# KiCad board prelude-driver-tail.kicad_pcb (continued)
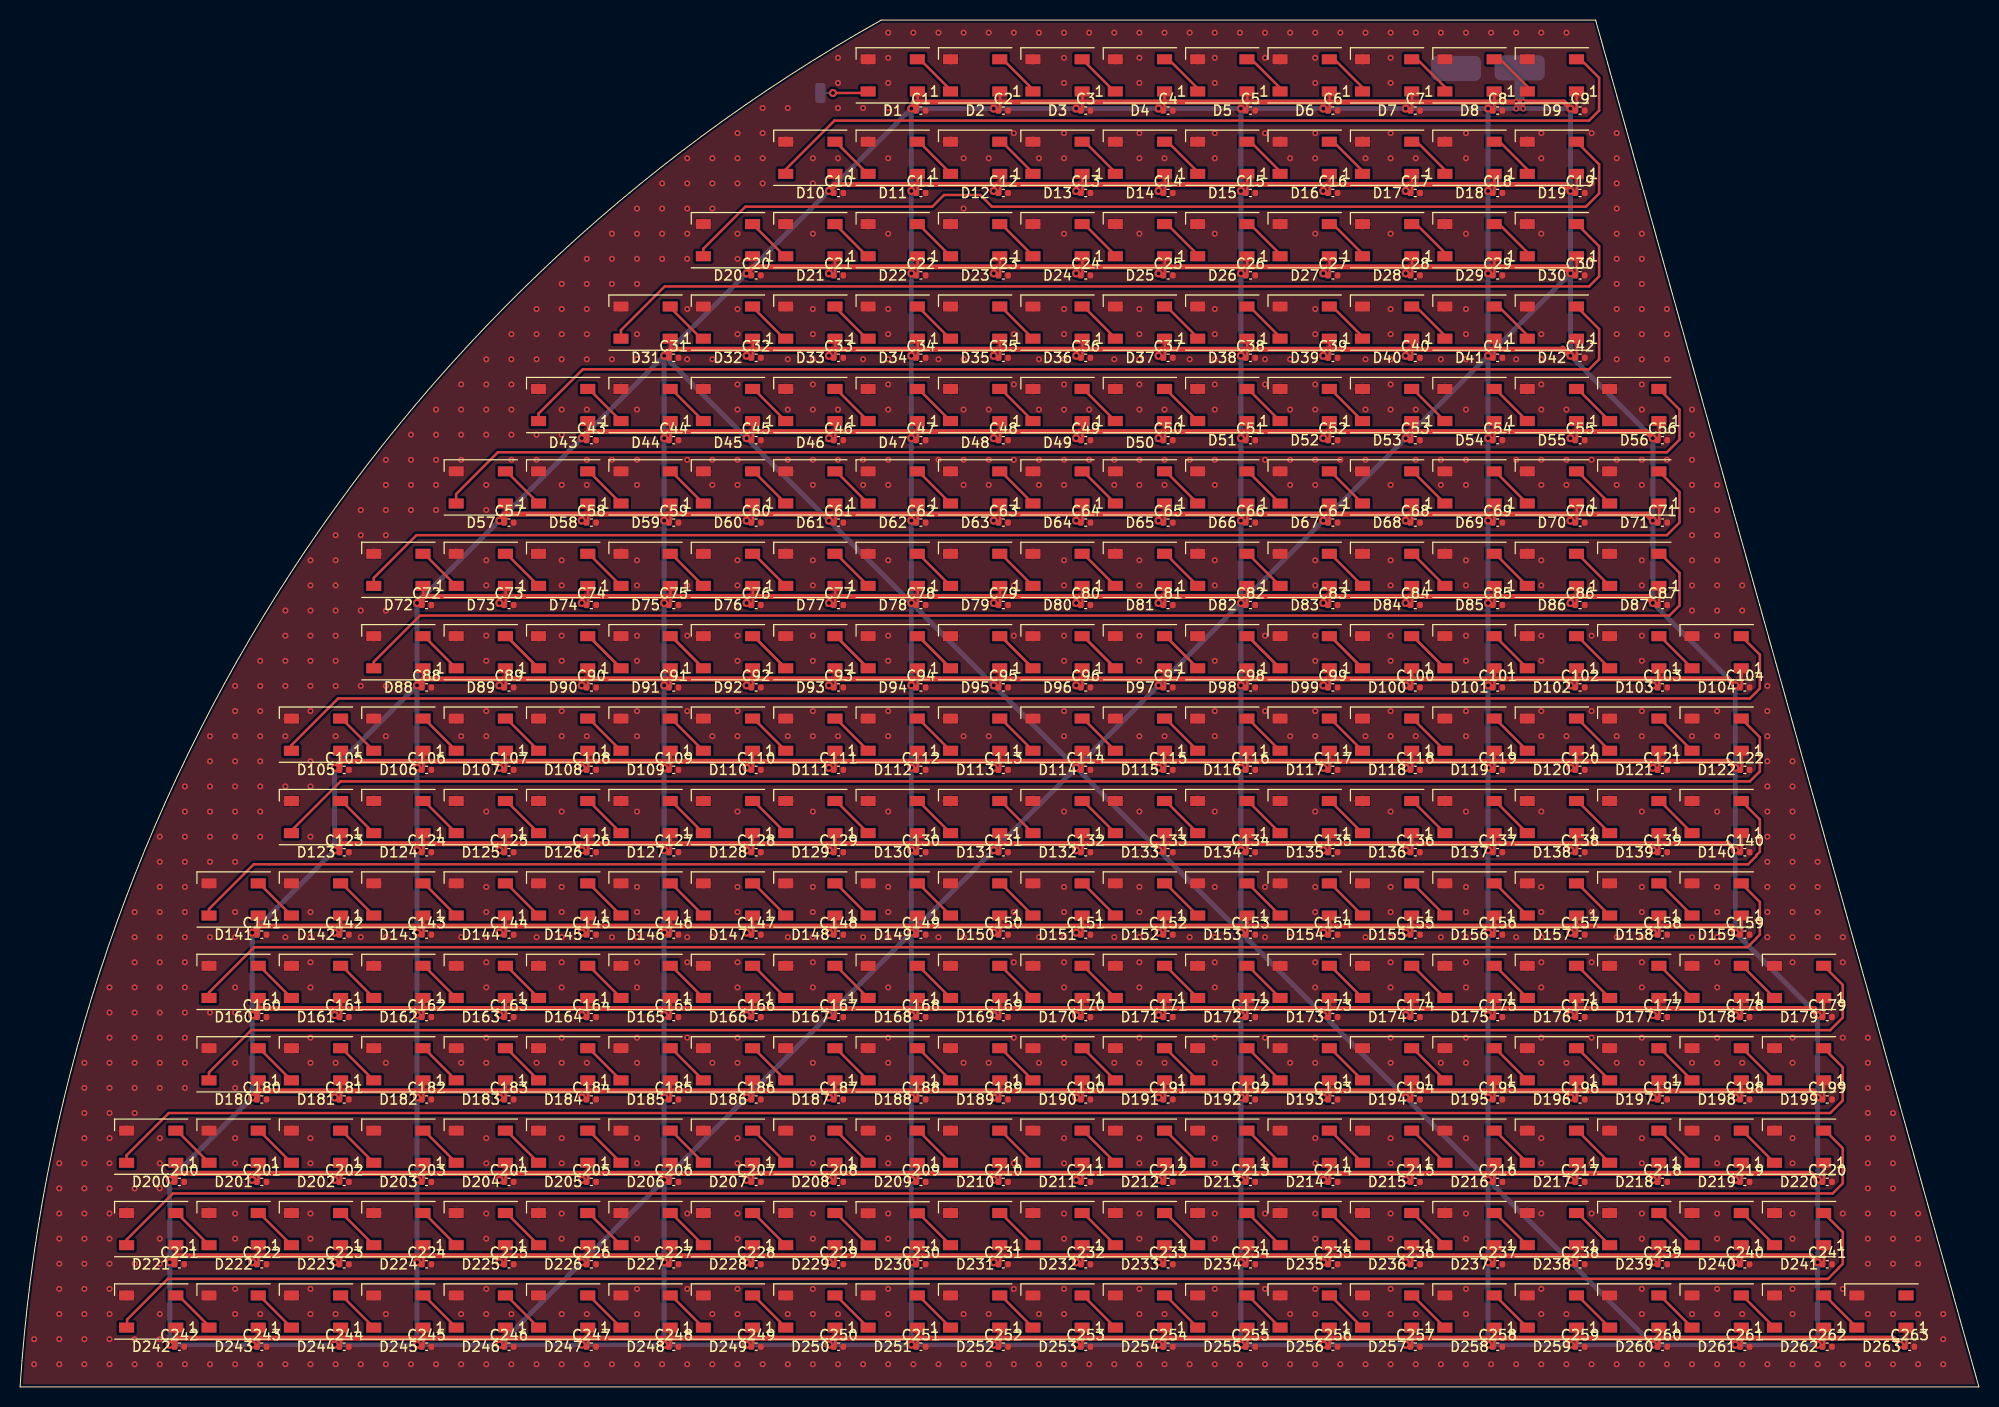
[diagram p0: board, top side]
## Placement (name value [footprint] x y rotation side) (continued)
D1  WS2812B  [LED_WS2812B_PLCC4_5.0x5.0mm_P3.2mm]  86.85 130.5 180 top
D2  WS2812B  [LED_WS2812B_PLCC4_5.0x5.0mm_P3.2mm]  95.05 130.5 180 top
D3  WS2812B  [LED_WS2812B_PLCC4_5.0x5.0mm_P3.2mm]  103.25 130.5 180 top
D4  WS2812B  [LED_WS2812B_PLCC4_5.0x5.0mm_P3.2mm]  111.45 130.5 180 top
D5  WS2812B  [LED_WS2812B_PLCC4_5.0x5.0mm_P3.2mm]  119.65 130.5 180 top
D6  WS2812B  [LED_WS2812B_PLCC4_5.0x5.0mm_P3.2mm]  127.85 130.5 180 top
D7  WS2812B  [LED_WS2812B_PLCC4_5.0x5.0mm_P3.2mm]  136.05 130.5 180 top
D8  WS2812B  [LED_WS2812B_PLCC4_5.0x5.0mm_P3.2mm]  144.25 130.5 180 top
D9  WS2812B  [LED_WS2812B_PLCC4_5.0x5.0mm_P3.2mm]  152.45 130.5 180 top
D10  WS2812B  [LED_WS2812B_PLCC4_5.0x5.0mm_P3.2mm]  78.65 122.3 180 top
D11  WS2812B  [LED_WS2812B_PLCC4_5.0x5.0mm_P3.2mm]  86.85 122.3 180 top
D12  WS2812B  [LED_WS2812B_PLCC4_5.0x5.0mm_P3.2mm]  95.05 122.3 180 top
D13  WS2812B  [LED_WS2812B_PLCC4_5.0x5.0mm_P3.2mm]  103.25 122.3 180 top
D14  WS2812B  [LED_WS2812B_PLCC4_5.0x5.0mm_P3.2mm]  111.45 122.3 180 top
D15  WS2812B  [LED_WS2812B_PLCC4_5.0x5.0mm_P3.2mm]  119.65 122.3 180 top
D16  WS2812B  [LED_WS2812B_PLCC4_5.0x5.0mm_P3.2mm]  127.85 122.3 180 top
D17  WS2812B  [LED_WS2812B_PLCC4_5.0x5.0mm_P3.2mm]  136.05 122.3 180 top
D18  WS2812B  [LED_WS2812B_PLCC4_5.0x5.0mm_P3.2mm]  144.25 122.3 180 top
D19  WS2812B  [LED_WS2812B_PLCC4_5.0x5.0mm_P3.2mm]  152.45 122.3 180 top
D20  WS2812B  [LED_WS2812B_PLCC4_5.0x5.0mm_P3.2mm]  70.45 114.1 180 top
D21  WS2812B  [LED_WS2812B_PLCC4_5.0x5.0mm_P3.2mm]  78.65 114.1 180 top
D22  WS2812B  [LED_WS2812B_PLCC4_5.0x5.0mm_P3.2mm]  86.85 114.1 180 top
D23  WS2812B  [LED_WS2812B_PLCC4_5.0x5.0mm_P3.2mm]  95.05 114.1 180 top
D24  WS2812B  [LED_WS2812B_PLCC4_5.0x5.0mm_P3.2mm]  103.25 114.1 180 top
D25  WS2812B  [LED_WS2812B_PLCC4_5.0x5.0mm_P3.2mm]  111.45 114.1 180 top
D26  WS2812B  [LED_WS2812B_PLCC4_5.0x5.0mm_P3.2mm]  119.65 114.1 180 top
D27  WS2812B  [LED_WS2812B_PLCC4_5.0x5.0mm_P3.2mm]  127.85 114.1 180 top
D28  WS2812B  [LED_WS2812B_PLCC4_5.0x5.0mm_P3.2mm]  136.05 114.1 180 top
D29  WS2812B  [LED_WS2812B_PLCC4_5.0x5.0mm_P3.2mm]  144.25 114.1 180 top
D30  WS2812B  [LED_WS2812B_PLCC4_5.0x5.0mm_P3.2mm]  152.45 114.1 180 top
D31  WS2812B  [LED_WS2812B_PLCC4_5.0x5.0mm_P3.2mm]  62.25 105.9 180 top
D32  WS2812B  [LED_WS2812B_PLCC4_5.0x5.0mm_P3.2mm]  70.45 105.9 180 top
D33  WS2812B  [LED_WS2812B_PLCC4_5.0x5.0mm_P3.2mm]  78.65 105.9 180 top
D34  WS2812B  [LED_WS2812B_PLCC4_5.0x5.0mm_P3.2mm]  86.85 105.9 180 top
D35  WS2812B  [LED_WS2812B_PLCC4_5.0x5.0mm_P3.2mm]  95.05 105.9 180 top
D36  WS2812B  [LED_WS2812B_PLCC4_5.0x5.0mm_P3.2mm]  103.25 105.9 180 top
D37  WS2812B  [LED_WS2812B_PLCC4_5.0x5.0mm_P3.2mm]  111.45 105.9 180 top
D38  WS2812B  [LED_WS2812B_PLCC4_5.0x5.0mm_P3.2mm]  119.65 105.9 180 top
D39  WS2812B  [LED_WS2812B_PLCC4_5.0x5.0mm_P3.2mm]  127.85 105.9 180 top
D40  WS2812B  [LED_WS2812B_PLCC4_5.0x5.0mm_P3.2mm]  136.05 105.9 180 top
D41  WS2812B  [LED_WS2812B_PLCC4_5.0x5.0mm_P3.2mm]  144.25 105.9 180 top
D42  WS2812B  [LED_WS2812B_PLCC4_5.0x5.0mm_P3.2mm]  152.45 105.9 180 top
D43  WS2812B  [LED_WS2812B_PLCC4_5.0x5.0mm_P3.2mm]  54.05 97.7 180 top
D44  WS2812B  [LED_WS2812B_PLCC4_5.0x5.0mm_P3.2mm]  62.25 97.7 180 top
D45  WS2812B  [LED_WS2812B_PLCC4_5.0x5.0mm_P3.2mm]  70.45 97.7 180 top
D46  WS2812B  [LED_WS2812B_PLCC4_5.0x5.0mm_P3.2mm]  78.65 97.7 180 top
D47  WS2812B  [LED_WS2812B_PLCC4_5.0x5.0mm_P3.2mm]  86.85 97.7 180 top
D48  WS2812B  [LED_WS2812B_PLCC4_5.0x5.0mm_P3.2mm]  95.05 97.7 180 top
D49  WS2812B  [LED_WS2812B_PLCC4_5.0x5.0mm_P3.2mm]  103.25 97.7 180 top
D50  WS2812B  [LED_WS2812B_PLCC4_5.0x5.0mm_P3.2mm]  111.45 97.7 180 top
D51  WS2812B  [LED_WS2812B_PLCC4_5.0x5.0mm_P3.2mm]  119.65 97.7 180 top
D52  WS2812B  [LED_WS2812B_PLCC4_5.0x5.0mm_P3.2mm]  127.85 97.7 180 top
D53  WS2812B  [LED_WS2812B_PLCC4_5.0x5.0mm_P3.2mm]  136.05 97.7 180 top
D54  WS2812B  [LED_WS2812B_PLCC4_5.0x5.0mm_P3.2mm]  144.25 97.7 180 top
D55  WS2812B  [LED_WS2812B_PLCC4_5.0x5.0mm_P3.2mm]  152.45 97.7 180 top
D56  WS2812B  [LED_WS2812B_PLCC4_5.0x5.0mm_P3.2mm]  160.65 97.7 180 top
D57  WS2812B  [LED_WS2812B_PLCC4_5.0x5.0mm_P3.2mm]  45.85 89.5 180 top
D58  WS2812B  [LED_WS2812B_PLCC4_5.0x5.0mm_P3.2mm]  54.05 89.5 180 top
D59  WS2812B  [LED_WS2812B_PLCC4_5.0x5.0mm_P3.2mm]  62.25 89.5 180 top
D60  WS2812B  [LED_WS2812B_PLCC4_5.0x5.0mm_P3.2mm]  70.45 89.5 180 top
D61  WS2812B  [LED_WS2812B_PLCC4_5.0x5.0mm_P3.2mm]  78.65 89.5 180 top
D62  WS2812B  [LED_WS2812B_PLCC4_5.0x5.0mm_P3.2mm]  86.85 89.5 180 top
D63  WS2812B  [LED_WS2812B_PLCC4_5.0x5.0mm_P3.2mm]  95.05 89.5 180 top
D64  WS2812B  [LED_WS2812B_PLCC4_5.0x5.0mm_P3.2mm]  103.25 89.5 180 top
D65  WS2812B  [LED_WS2812B_PLCC4_5.0x5.0mm_P3.2mm]  111.45 89.5 180 top
D66  WS2812B  [LED_WS2812B_PLCC4_5.0x5.0mm_P3.2mm]  119.65 89.5 180 top
D67  WS2812B  [LED_WS2812B_PLCC4_5.0x5.0mm_P3.2mm]  127.85 89.5 180 top
D68  WS2812B  [LED_WS2812B_PLCC4_5.0x5.0mm_P3.2mm]  136.05 89.5 180 top
D69  WS2812B  [LED_WS2812B_PLCC4_5.0x5.0mm_P3.2mm]  144.25 89.5 180 top
D70  WS2812B  [LED_WS2812B_PLCC4_5.0x5.0mm_P3.2mm]  152.45 89.5 180 top
D71  WS2812B  [LED_WS2812B_PLCC4_5.0x5.0mm_P3.2mm]  160.65 89.5 180 top
D72  WS2812B  [LED_WS2812B_PLCC4_5.0x5.0mm_P3.2mm]  37.65 81.3 180 top
D73  WS2812B  [LED_WS2812B_PLCC4_5.0x5.0mm_P3.2mm]  45.85 81.3 180 top
D74  WS2812B  [LED_WS2812B_PLCC4_5.0x5.0mm_P3.2mm]  54.05 81.3 180 top
D75  WS2812B  [LED_WS2812B_PLCC4_5.0x5.0mm_P3.2mm]  62.25 81.3 180 top
D76  WS2812B  [LED_WS2812B_PLCC4_5.0x5.0mm_P3.2mm]  70.45 81.3 180 top
D77  WS2812B  [LED_WS2812B_PLCC4_5.0x5.0mm_P3.2mm]  78.65 81.3 180 top
D78  WS2812B  [LED_WS2812B_PLCC4_5.0x5.0mm_P3.2mm]  86.85 81.3 180 top
D79  WS2812B  [LED_WS2812B_PLCC4_5.0x5.0mm_P3.2mm]  95.05 81.3 180 top
D80  WS2812B  [LED_WS2812B_PLCC4_5.0x5.0mm_P3.2mm]  103.25 81.3 180 top
D81  WS2812B  [LED_WS2812B_PLCC4_5.0x5.0mm_P3.2mm]  111.45 81.3 180 top
D82  WS2812B  [LED_WS2812B_PLCC4_5.0x5.0mm_P3.2mm]  119.65 81.3 180 top
D83  WS2812B  [LED_WS2812B_PLCC4_5.0x5.0mm_P3.2mm]  127.85 81.3 180 top
D84  WS2812B  [LED_WS2812B_PLCC4_5.0x5.0mm_P3.2mm]  136.05 81.3 180 top
D85  WS2812B  [LED_WS2812B_PLCC4_5.0x5.0mm_P3.2mm]  144.25 81.3 180 top
D86  WS2812B  [LED_WS2812B_PLCC4_5.0x5.0mm_P3.2mm]  152.45 81.3 180 top
D87  WS2812B  [LED_WS2812B_PLCC4_5.0x5.0mm_P3.2mm]  160.65 81.3 180 top
D88  WS2812B  [LED_WS2812B_PLCC4_5.0x5.0mm_P3.2mm]  37.65 73.1 180 top
D89  WS2812B  [LED_WS2812B_PLCC4_5.0x5.0mm_P3.2mm]  45.85 73.1 180 top
D90  WS2812B  [LED_WS2812B_PLCC4_5.0x5.0mm_P3.2mm]  54.05 73.1 180 top
D91  WS2812B  [LED_WS2812B_PLCC4_5.0x5.0mm_P3.2mm]  62.25 73.1 180 top
D92  WS2812B  [LED_WS2812B_PLCC4_5.0x5.0mm_P3.2mm]  70.45 73.1 180 top
D93  WS2812B  [LED_WS2812B_PLCC4_5.0x5.0mm_P3.2mm]  78.65 73.1 180 top
D94  WS2812B  [LED_WS2812B_PLCC4_5.0x5.0mm_P3.2mm]  86.85 73.1 180 top
D95  WS2812B  [LED_WS2812B_PLCC4_5.0x5.0mm_P3.2mm]  95.05 73.1 180 top
D96  WS2812B  [LED_WS2812B_PLCC4_5.0x5.0mm_P3.2mm]  103.25 73.1 180 top
D97  WS2812B  [LED_WS2812B_PLCC4_5.0x5.0mm_P3.2mm]  111.45 73.1 180 top
D98  WS2812B  [LED_WS2812B_PLCC4_5.0x5.0mm_P3.2mm]  119.65 73.1 180 top
D99  WS2812B  [LED_WS2812B_PLCC4_5.0x5.0mm_P3.2mm]  127.85 73.1 180 top
D100  WS2812B  [LED_WS2812B_PLCC4_5.0x5.0mm_P3.2mm]  136.05 73.1 180 top
D101  WS2812B  [LED_WS2812B_PLCC4_5.0x5.0mm_P3.2mm]  144.25 73.1 180 top
D102  WS2812B  [LED_WS2812B_PLCC4_5.0x5.0mm_P3.2mm]  152.45 73.1 180 top
D103  WS2812B  [LED_WS2812B_PLCC4_5.0x5.0mm_P3.2mm]  160.65 73.1 180 top
D104  WS2812B  [LED_WS2812B_PLCC4_5.0x5.0mm_P3.2mm]  168.85 73.1 180 top
D105  WS2812B  [LED_WS2812B_PLCC4_5.0x5.0mm_P3.2mm]  29.45 64.9 180 top
D106  WS2812B  [LED_WS2812B_PLCC4_5.0x5.0mm_P3.2mm]  37.65 64.9 180 top
D107  WS2812B  [LED_WS2812B_PLCC4_5.0x5.0mm_P3.2mm]  45.85 64.9 180 top
D108  WS2812B  [LED_WS2812B_PLCC4_5.0x5.0mm_P3.2mm]  54.05 64.9 180 top
D109  WS2812B  [LED_WS2812B_PLCC4_5.0x5.0mm_P3.2mm]  62.25 64.9 180 top
D110  WS2812B  [LED_WS2812B_PLCC4_5.0x5.0mm_P3.2mm]  70.45 64.9 180 top
D111  WS2812B  [LED_WS2812B_PLCC4_5.0x5.0mm_P3.2mm]  78.65 64.9 180 top
D112  WS2812B  [LED_WS2812B_PLCC4_5.0x5.0mm_P3.2mm]  86.85 64.9 180 top
D113  WS2812B  [LED_WS2812B_PLCC4_5.0x5.0mm_P3.2mm]  95.05 64.9 180 top
D114  WS2812B  [LED_WS2812B_PLCC4_5.0x5.0mm_P3.2mm]  103.25 64.9 180 top
D115  WS2812B  [LED_WS2812B_PLCC4_5.0x5.0mm_P3.2mm]  111.45 64.9 180 top
D116  WS2812B  [LED_WS2812B_PLCC4_5.0x5.0mm_P3.2mm]  119.65 64.9 180 top
D117  WS2812B  [LED_WS2812B_PLCC4_5.0x5.0mm_P3.2mm]  127.85 64.9 180 top
D118  WS2812B  [LED_WS2812B_PLCC4_5.0x5.0mm_P3.2mm]  136.05 64.9 180 top
D119  WS2812B  [LED_WS2812B_PLCC4_5.0x5.0mm_P3.2mm]  144.25 64.9 180 top
D120  WS2812B  [LED_WS2812B_PLCC4_5.0x5.0mm_P3.2mm]  152.45 64.9 180 top
D121  WS2812B  [LED_WS2812B_PLCC4_5.0x5.0mm_P3.2mm]  160.65 64.9 180 top
D122  WS2812B  [LED_WS2812B_PLCC4_5.0x5.0mm_P3.2mm]  168.85 64.9 180 top
D123  WS2812B  [LED_WS2812B_PLCC4_5.0x5.0mm_P3.2mm]  29.45 56.7 180 top
D124  WS2812B  [LED_WS2812B_PLCC4_5.0x5.0mm_P3.2mm]  37.65 56.7 180 top
D125  WS2812B  [LED_WS2812B_PLCC4_5.0x5.0mm_P3.2mm]  45.85 56.7 180 top
D126  WS2812B  [LED_WS2812B_PLCC4_5.0x5.0mm_P3.2mm]  54.05 56.7 180 top
D127  WS2812B  [LED_WS2812B_PLCC4_5.0x5.0mm_P3.2mm]  62.25 56.7 180 top
D128  WS2812B  [LED_WS2812B_PLCC4_5.0x5.0mm_P3.2mm]  70.45 56.7 180 top
D129  WS2812B  [LED_WS2812B_PLCC4_5.0x5.0mm_P3.2mm]  78.65 56.7 180 top
D130  WS2812B  [LED_WS2812B_PLCC4_5.0x5.0mm_P3.2mm]  86.85 56.7 180 top
D131  WS2812B  [LED_WS2812B_PLCC4_5.0x5.0mm_P3.2mm]  95.05 56.7 180 top
D132  WS2812B  [LED_WS2812B_PLCC4_5.0x5.0mm_P3.2mm]  103.25 56.7 180 top
D133  WS2812B  [LED_WS2812B_PLCC4_5.0x5.0mm_P3.2mm]  111.45 56.7 180 top
D134  WS2812B  [LED_WS2812B_PLCC4_5.0x5.0mm_P3.2mm]  119.65 56.7 180 top
D135  WS2812B  [LED_WS2812B_PLCC4_5.0x5.0mm_P3.2mm]  127.85 56.7 180 top
D136  WS2812B  [LED_WS2812B_PLCC4_5.0x5.0mm_P3.2mm]  136.05 56.7 180 top
D137  WS2812B  [LED_WS2812B_PLCC4_5.0x5.0mm_P3.2mm]  144.25 56.7 180 top
D138  WS2812B  [LED_WS2812B_PLCC4_5.0x5.0mm_P3.2mm]  152.45 56.7 180 top
D139  WS2812B  [LED_WS2812B_PLCC4_5.0x5.0mm_P3.2mm]  160.65 56.7 180 top
D140  WS2812B  [LED_WS2812B_PLCC4_5.0x5.0mm_P3.2mm]  168.85 56.7 180 top
D141  WS2812B  [LED_WS2812B_PLCC4_5.0x5.0mm_P3.2mm]  21.25 48.5 180 top
D142  WS2812B  [LED_WS2812B_PLCC4_5.0x5.0mm_P3.2mm]  29.45 48.5 180 top
D143  WS2812B  [LED_WS2812B_PLCC4_5.0x5.0mm_P3.2mm]  37.65 48.5 180 top
D144  WS2812B  [LED_WS2812B_PLCC4_5.0x5.0mm_P3.2mm]  45.85 48.5 180 top
D145  WS2812B  [LED_WS2812B_PLCC4_5.0x5.0mm_P3.2mm]  54.05 48.5 180 top
D146  WS2812B  [LED_WS2812B_PLCC4_5.0x5.0mm_P3.2mm]  62.25 48.5 180 top
D147  WS2812B  [LED_WS2812B_PLCC4_5.0x5.0mm_P3.2mm]  70.45 48.5 180 top
D148  WS2812B  [LED_WS2812B_PLCC4_5.0x5.0mm_P3.2mm]  78.65 48.5 180 top
D149  WS2812B  [LED_WS2812B_PLCC4_5.0x5.0mm_P3.2mm]  86.85 48.5 180 top
D150  WS2812B  [LED_WS2812B_PLCC4_5.0x5.0mm_P3.2mm]  95.05 48.5 180 top
D151  WS2812B  [LED_WS2812B_PLCC4_5.0x5.0mm_P3.2mm]  103.25 48.5 180 top
D152  WS2812B  [LED_WS2812B_PLCC4_5.0x5.0mm_P3.2mm]  111.45 48.5 180 top
D153  WS2812B  [LED_WS2812B_PLCC4_5.0x5.0mm_P3.2mm]  119.65 48.5 180 top
D154  WS2812B  [LED_WS2812B_PLCC4_5.0x5.0mm_P3.2mm]  127.85 48.5 180 top
D155  WS2812B  [LED_WS2812B_PLCC4_5.0x5.0mm_P3.2mm]  136.05 48.5 180 top
D156  WS2812B  [LED_WS2812B_PLCC4_5.0x5.0mm_P3.2mm]  144.25 48.5 180 top
D157  WS2812B  [LED_WS2812B_PLCC4_5.0x5.0mm_P3.2mm]  152.45 48.5 180 top
D158  WS2812B  [LED_WS2812B_PLCC4_5.0x5.0mm_P3.2mm]  160.65 48.5 180 top
D159  WS2812B  [LED_WS2812B_PLCC4_5.0x5.0mm_P3.2mm]  168.85 48.5 180 top
D160  WS2812B  [LED_WS2812B_PLCC4_5.0x5.0mm_P3.2mm]  21.25 40.3 180 top
D161  WS2812B  [LED_WS2812B_PLCC4_5.0x5.0mm_P3.2mm]  29.45 40.3 180 top
D162  WS2812B  [LED_WS2812B_PLCC4_5.0x5.0mm_P3.2mm]  37.65 40.3 180 top
D163  WS2812B  [LED_WS2812B_PLCC4_5.0x5.0mm_P3.2mm]  45.85 40.3 180 top
D164  WS2812B  [LED_WS2812B_PLCC4_5.0x5.0mm_P3.2mm]  54.05 40.3 180 top
D165  WS2812B  [LED_WS2812B_PLCC4_5.0x5.0mm_P3.2mm]  62.25 40.3 180 top
D166  WS2812B  [LED_WS2812B_PLCC4_5.0x5.0mm_P3.2mm]  70.45 40.3 180 top
D167  WS2812B  [LED_WS2812B_PLCC4_5.0x5.0mm_P3.2mm]  78.65 40.3 180 top
D168  WS2812B  [LED_WS2812B_PLCC4_5.0x5.0mm_P3.2mm]  86.85 40.3 180 top
D169  WS2812B  [LED_WS2812B_PLCC4_5.0x5.0mm_P3.2mm]  95.05 40.3 180 top
D170  WS2812B  [LED_WS2812B_PLCC4_5.0x5.0mm_P3.2mm]  103.25 40.3 180 top
D171  WS2812B  [LED_WS2812B_PLCC4_5.0x5.0mm_P3.2mm]  111.45 40.3 180 top
D172  WS2812B  [LED_WS2812B_PLCC4_5.0x5.0mm_P3.2mm]  119.65 40.3 180 top
D173  WS2812B  [LED_WS2812B_PLCC4_5.0x5.0mm_P3.2mm]  127.85 40.3 180 top
D174  WS2812B  [LED_WS2812B_PLCC4_5.0x5.0mm_P3.2mm]  136.05 40.3 180 top
D175  WS2812B  [LED_WS2812B_PLCC4_5.0x5.0mm_P3.2mm]  144.25 40.3 180 top
D176  WS2812B  [LED_WS2812B_PLCC4_5.0x5.0mm_P3.2mm]  152.45 40.3 180 top
D177  WS2812B  [LED_WS2812B_PLCC4_5.0x5.0mm_P3.2mm]  160.65 40.3 180 top
D178  WS2812B  [LED_WS2812B_PLCC4_5.0x5.0mm_P3.2mm]  168.85 40.3 180 top
D179  WS2812B  [LED_WS2812B_PLCC4_5.0x5.0mm_P3.2mm]  177.05 40.3 180 top
D180  WS2812B  [LED_WS2812B_PLCC4_5.0x5.0mm_P3.2mm]  21.25 32.1 180 top
D181  WS2812B  [LED_WS2812B_PLCC4_5.0x5.0mm_P3.2mm]  29.45 32.1 180 top
D182  WS2812B  [LED_WS2812B_PLCC4_5.0x5.0mm_P3.2mm]  37.65 32.1 180 top
D183  WS2812B  [LED_WS2812B_PLCC4_5.0x5.0mm_P3.2mm]  45.85 32.1 180 top
D184  WS2812B  [LED_WS2812B_PLCC4_5.0x5.0mm_P3.2mm]  54.05 32.1 180 top
D185  WS2812B  [LED_WS2812B_PLCC4_5.0x5.0mm_P3.2mm]  62.25 32.1 180 top
D186  WS2812B  [LED_WS2812B_PLCC4_5.0x5.0mm_P3.2mm]  70.45 32.1 180 top
D187  WS2812B  [LED_WS2812B_PLCC4_5.0x5.0mm_P3.2mm]  78.65 32.1 180 top
D188  WS2812B  [LED_WS2812B_PLCC4_5.0x5.0mm_P3.2mm]  86.85 32.1 180 top
D189  WS2812B  [LED_WS2812B_PLCC4_5.0x5.0mm_P3.2mm]  95.05 32.1 180 top
D190  WS2812B  [LED_WS2812B_PLCC4_5.0x5.0mm_P3.2mm]  103.25 32.1 180 top
D191  WS2812B  [LED_WS2812B_PLCC4_5.0x5.0mm_P3.2mm]  111.45 32.1 180 top
D192  WS2812B  [LED_WS2812B_PLCC4_5.0x5.0mm_P3.2mm]  119.65 32.1 180 top
D193  WS2812B  [LED_WS2812B_PLCC4_5.0x5.0mm_P3.2mm]  127.85 32.1 180 top
D194  WS2812B  [LED_WS2812B_PLCC4_5.0x5.0mm_P3.2mm]  136.05 32.1 180 top
D195  WS2812B  [LED_WS2812B_PLCC4_5.0x5.0mm_P3.2mm]  144.25 32.1 180 top
D196  WS2812B  [LED_WS2812B_PLCC4_5.0x5.0mm_P3.2mm]  152.45 32.1 180 top
D197  WS2812B  [LED_WS2812B_PLCC4_5.0x5.0mm_P3.2mm]  160.65 32.1 180 top
D198  WS2812B  [LED_WS2812B_PLCC4_5.0x5.0mm_P3.2mm]  168.85 32.1 180 top
D199  WS2812B  [LED_WS2812B_PLCC4_5.0x5.0mm_P3.2mm]  177.05 32.1 180 top
D200  WS2812B  [LED_WS2812B_PLCC4_5.0x5.0mm_P3.2mm]  13.05 23.9 180 top
D201  WS2812B  [LED_WS2812B_PLCC4_5.0x5.0mm_P3.2mm]  21.25 23.9 180 top
D202  WS2812B  [LED_WS2812B_PLCC4_5.0x5.0mm_P3.2mm]  29.45 23.9 180 top
D203  WS2812B  [LED_WS2812B_PLCC4_5.0x5.0mm_P3.2mm]  37.65 23.9 180 top
D204  WS2812B  [LED_WS2812B_PLCC4_5.0x5.0mm_P3.2mm]  45.85 23.9 180 top
D205  WS2812B  [LED_WS2812B_PLCC4_5.0x5.0mm_P3.2mm]  54.05 23.9 180 top
D206  WS2812B  [LED_WS2812B_PLCC4_5.0x5.0mm_P3.2mm]  62.25 23.9 180 top
D207  WS2812B  [LED_WS2812B_PLCC4_5.0x5.0mm_P3.2mm]  70.45 23.9 180 top
D208  WS2812B  [LED_WS2812B_PLCC4_5.0x5.0mm_P3.2mm]  78.65 23.9 180 top
D209  WS2812B  [LED_WS2812B_PLCC4_5.0x5.0mm_P3.2mm]  86.85 23.9 180 top
D210  WS2812B  [LED_WS2812B_PLCC4_5.0x5.0mm_P3.2mm]  95.05 23.9 180 top
D211  WS2812B  [LED_WS2812B_PLCC4_5.0x5.0mm_P3.2mm]  103.25 23.9 180 top
D212  WS2812B  [LED_WS2812B_PLCC4_5.0x5.0mm_P3.2mm]  111.45 23.9 180 top
D213  WS2812B  [LED_WS2812B_PLCC4_5.0x5.0mm_P3.2mm]  119.65 23.9 180 top
D214  WS2812B  [LED_WS2812B_PLCC4_5.0x5.0mm_P3.2mm]  127.85 23.9 180 top
D215  WS2812B  [LED_WS2812B_PLCC4_5.0x5.0mm_P3.2mm]  136.05 23.9 180 top
D216  WS2812B  [LED_WS2812B_PLCC4_5.0x5.0mm_P3.2mm]  144.25 23.9 180 top
D217  WS2812B  [LED_WS2812B_PLCC4_5.0x5.0mm_P3.2mm]  152.45 23.9 180 top
D218  WS2812B  [LED_WS2812B_PLCC4_5.0x5.0mm_P3.2mm]  160.65 23.9 180 top
D219  WS2812B  [LED_WS2812B_PLCC4_5.0x5.0mm_P3.2mm]  168.85 23.9 180 top
D220  WS2812B  [LED_WS2812B_PLCC4_5.0x5.0mm_P3.2mm]  177.05 23.9 180 top
D221  WS2812B  [LED_WS2812B_PLCC4_5.0x5.0mm_P3.2mm]  13.05 15.7 180 top
D222  WS2812B  [LED_WS2812B_PLCC4_5.0x5.0mm_P3.2mm]  21.25 15.7 180 top
D223  WS2812B  [LED_WS2812B_PLCC4_5.0x5.0mm_P3.2mm]  29.45 15.7 180 top
D224  WS2812B  [LED_WS2812B_PLCC4_5.0x5.0mm_P3.2mm]  37.65 15.7 180 top
D225  WS2812B  [LED_WS2812B_PLCC4_5.0x5.0mm_P3.2mm]  45.85 15.7 180 top
D226  WS2812B  [LED_WS2812B_PLCC4_5.0x5.0mm_P3.2mm]  54.05 15.7 180 top
D227  WS2812B  [LED_WS2812B_PLCC4_5.0x5.0mm_P3.2mm]  62.25 15.7 180 top
D228  WS2812B  [LED_WS2812B_PLCC4_5.0x5.0mm_P3.2mm]  70.45 15.7 180 top
D229  WS2812B  [LED_WS2812B_PLCC4_5.0x5.0mm_P3.2mm]  78.65 15.7 180 top
D230  WS2812B  [LED_WS2812B_PLCC4_5.0x5.0mm_P3.2mm]  86.85 15.68 180 top
D231  WS2812B  [LED_WS2812B_PLCC4_5.0x5.0mm_P3.2mm]  95.05 15.7 180 top
D232  WS2812B  [LED_WS2812B_PLCC4_5.0x5.0mm_P3.2mm]  103.25 15.7 180 top
D233  WS2812B  [LED_WS2812B_PLCC4_5.0x5.0mm_P3.2mm]  111.45 15.7 180 top
D234  WS2812B  [LED_WS2812B_PLCC4_5.0x5.0mm_P3.2mm]  119.65 15.7 180 top
D235  WS2812B  [LED_WS2812B_PLCC4_5.0x5.0mm_P3.2mm]  127.85 15.7 180 top
D236  WS2812B  [LED_WS2812B_PLCC4_5.0x5.0mm_P3.2mm]  136.05 15.7 180 top
D237  WS2812B  [LED_WS2812B_PLCC4_5.0x5.0mm_P3.2mm]  144.25 15.7 180 top
D238  WS2812B  [LED_WS2812B_PLCC4_5.0x5.0mm_P3.2mm]  152.45 15.7 180 top
D239  WS2812B  [LED_WS2812B_PLCC4_5.0x5.0mm_P3.2mm]  160.65 15.7 180 top
D240  WS2812B  [LED_WS2812B_PLCC4_5.0x5.0mm_P3.2mm]  168.85 15.7 180 top
D241  WS2812B  [LED_WS2812B_PLCC4_5.0x5.0mm_P3.2mm]  177.05 15.7 180 top
D242  WS2812B  [LED_WS2812B_PLCC4_5.0x5.0mm_P3.2mm]  13.05 7.5 180 top
D243  WS2812B  [LED_WS2812B_PLCC4_5.0x5.0mm_P3.2mm]  21.25 7.5 180 top
D244  WS2812B  [LED_WS2812B_PLCC4_5.0x5.0mm_P3.2mm]  29.45 7.5 180 top
D245  WS2812B  [LED_WS2812B_PLCC4_5.0x5.0mm_P3.2mm]  37.65 7.5 180 top
D246  WS2812B  [LED_WS2812B_PLCC4_5.0x5.0mm_P3.2mm]  45.85 7.5 180 top
D247  WS2812B  [LED_WS2812B_PLCC4_5.0x5.0mm_P3.2mm]  54.05 7.5 180 top
D248  WS2812B  [LED_WS2812B_PLCC4_5.0x5.0mm_P3.2mm]  62.25 7.5 180 top
D249  WS2812B  [LED_WS2812B_PLCC4_5.0x5.0mm_P3.2mm]  70.45 7.5 180 top
D250  WS2812B  [LED_WS2812B_PLCC4_5.0x5.0mm_P3.2mm]  78.65 7.5 180 top
D251  WS2812B  [LED_WS2812B_PLCC4_5.0x5.0mm_P3.2mm]  86.85 7.5 180 top
D252  WS2812B  [LED_WS2812B_PLCC4_5.0x5.0mm_P3.2mm]  95.05 7.5 180 top
D253  WS2812B  [LED_WS2812B_PLCC4_5.0x5.0mm_P3.2mm]  103.25 7.5 180 top
D254  WS2812B  [LED_WS2812B_PLCC4_5.0x5.0mm_P3.2mm]  111.45 7.5 180 top
D255  WS2812B  [LED_WS2812B_PLCC4_5.0x5.0mm_P3.2mm]  119.65 7.5 180 top
D256  WS2812B  [LED_WS2812B_PLCC4_5.0x5.0mm_P3.2mm]  127.85 7.5 180 top
D257  WS2812B  [LED_WS2812B_PLCC4_5.0x5.0mm_P3.2mm]  136.05 7.5 180 top
D258  WS2812B  [LED_WS2812B_PLCC4_5.0x5.0mm_P3.2mm]  144.25 7.5 180 top
D259  WS2812B  [LED_WS2812B_PLCC4_5.0x5.0mm_P3.2mm]  152.45 7.5 180 top
D260  WS2812B  [LED_WS2812B_PLCC4_5.0x5.0mm_P3.2mm]  160.65 7.5 180 top
D261  WS2812B  [LED_WS2812B_PLCC4_5.0x5.0mm_P3.2mm]  168.85 7.5 180 top
D262  WS2812B  [LED_WS2812B_PLCC4_5.0x5.0mm_P3.2mm]  177.05 7.5 180 top
D263  WS2812B  [LED_WS2812B_PLCC4_5.0x5.0mm_P3.2mm]  185.25 7.5 180 top
DIN  -  [SolderWirePad_1x01_SMD_1x2mm]  79.65 128.75 180 bottom
GND  Conn_01x01_Female  [SolderWirePad_1x01_SMD_5x10mm#2]  143 131.25 270 bottom

## Library data of the parts
C1-C263 = -: LCSC: C60474
D1-D263 = -: LCSC: C114586

## Footprints (pads in the part's own frame, mm; a bottom-side part is the same pattern mirrored in y, then rotated)
C_0402_1005Metric
  rrect 0.56x0.62 smd: 1(-0.48,0) 2(0.48,0)
LED_WS2812B_PLCC4_5.0x5.0mm_P3.2mm
  rect 1.5x1 smd: 1(-2.45,1.6) 2(-2.45,-1.6) 3(2.45,-1.6) 4(2.45,1.6)
SolderWirePad_1x01_SMD_1x2mm
  rrect 1x2 smd: 1(0,0)
SolderWirePad_1x01_SMD_5x10mm
  rrect 2.5x5 smd: 1(0,0)
SolderWirePad_1x01_SMD_5x10mm#2
  rrect 2.5x5 smd: 1(0.05,0.1)

## Nets
+5V: 5V.1 C1.1 C2.1 C3.1 C4.1 C5.1 C6.1 C7.1 C8.1 C9.1 C10.1 C11.1 C12.1 C13.1 C14.1 C15.1 C16.1 C17.1 C18.1 C19.1 C20.1 C21.1 C22.1 C23.1 C24.1 C25.1 C26.1 C27.1 C28.1 C29.1 C30.1 C31.1 C32.1 C33.1 C34.1 C35.1 C36.1 C37.1 C38.1 C39.1 C40.1 C41.1 C42.1 C43.1 C44.1 C45.1 C46.1 C47.1 C48.1 C49.1 C50.1 C51.1 C52.1 C53.1 C54.1 C55.1 C56.1 C57.1 C58.1 C59.1 C60.1 C61.1 C62.1 C63.1 C64.1 C65.1 C66.1 C67.1 C68.1 C69.1 C70.1 C71.1 C72.1 C73.1 C74.1 C75.1 C76.1 C77.1 C78.1 C79.1 C80.1 C81.1 C82.1 C83.1 C84.1 C85.1 C86.1 C87.1 C88.1 C89.1 C90.1 C91.1 C92.1 C93.1 C94.1 C95.1 C96.1 C97.1 C98.1 C99.1 C100.1 C101.1 C102.1 C103.1 C104.1 C105.1 C106.1 C107.1 C108.1 C109.1 C110.1 C111.1 C112.1 C113.1 C114.1 C115.1 C116.1 C117.1 C118.1 C119.1 C120.1 C121.1 C122.1 C123.1 C124.1 C125.1 C126.1 C127.1 C128.1 C129.1 C130.1 C131.1 C132.1 C133.1 C134.1 C135.1 C136.1 C137.1 C138.1 C139.1 C140.1 C141.1 C142.1 C143.1 C144.1 C145.1 C146.1 C147.1 C148.1 C149.1 C150.1 C151.1 C152.1 C153.1 C154.1 C155.1 C156.1 C157.1 C158.1 C159.1 C160.1 C161.1 C162.1 C163.1 C164.1 C165.1 C166.1 C167.1 C168.1 C169.1 C170.1 C171.1 C172.1 C173.1 C174.1 C175.1 C176.1 C177.1 C178.1 C179.1 C180.1 C181.1 C182.1 C183.1 C184.1 C185.1 C186.1 C187.1 C188.1 C189.1 C190.1 C191.1 C192.1 C193.1 C194.1 C195.1 C196.1 C197.1 C198.1 C199.1 C200.1 C201.1 C202.1 C203.1 C204.1 C205.1 C206.1 C207.1 C208.1 C209.1 C210.1 C211.1 C212.1 C213.1 C214.1 C215.1 C216.1 C217.1 C218.1 C219.1 C220.1 C221.1 C222.1 C223.1 C224.1 C225.1 C226.1 C227.1 C228.1 C229.1 C230.1 C231.1 C232.1 C233.1 C234.1 C235.1 C236.1 C237.1 C238.1 C239.1 C240.1 C241.1 C242.1 C243.1 C244.1 C245.1 C246.1 C247.1 C248.1 C249.1 C250.1 C251.1 C252.1 C253.1 C254.1 C255.1 C256.1 C257.1 C258.1 C259.1 C260.1 C261.1 C262.1 C263.1 D1.1 D2.1 D3.1 D4.1 D5.1 D6.1 D7.1 D8.1 D9.1 D10.1 D11.1 D12.1 D13.1 D14.1 D15.1 D16.1 D17.1 D18.1 D19.1 D20.1 D21.1 D22.1 D23.1 D24.1 D25.1 D26.1 D27.1 D28.1 D29.1 D30.1 D31.1 D32.1 D33.1 D34.1 D35.1 D36.1 D37.1 D38.1 D39.1 D40.1 D41.1 D42.1 D43.1 D44.1 D45.1 D46.1 D47.1 D48.1 D49.1 D50.1 D51.1 D52.1 D53.1 D54.1 D55.1 D56.1 D57.1 D58.1 D59.1 D60.1 D61.1 D62.1 D63.1 D64.1 D65.1 D66.1 D67.1 D68.1 D69.1 D70.1 D71.1 D72.1 D73.1 D74.1 D75.1 D76.1 D77.1 D78.1 D79.1 D80.1 D81.1 D82.1 D83.1 D84.1 D85.1 D86.1 D87.1 D88.1 D89.1 D90.1 D91.1 D92.1 D93.1 D94.1 D95.1 D96.1 D97.1 D98.1 D99.1 D100.1 D101.1 D102.1 D103.1 D104.1 D105.1 D106.1 D107.1 D108.1 D109.1 D110.1 D111.1 D112.1 D113.1 D114.1 D115.1 D116.1 D117.1 D118.1 D119.1 D120.1 D121.1 D122.1 D123.1 D124.1 D125.1 D126.1 D127.1 D128.1 D129.1 D130.1 D131.1 D132.1 D133.1 D134.1 D135.1 D136.1 D137.1 D138.1 D139.1 D140.1 D141.1 D142.1 D143.1 D144.1 D145.1 D146.1 D147.1 D148.1 D149.1 D150.1 D151.1 D152.1 D153.1 D154.1 D155.1 D156.1 D157.1 D158.1 D159.1 D160.1 D161.1 D162.1 D163.1 D164.1 D165.1 D166.1 D167.1 D168.1 D169.1 D170.1 D171.1 D172.1 D173.1 D174.1 D175.1 D176.1 D177.1 D178.1 D179.1 D180.1 D181.1 D182.1 D183.1 D184.1 D185.1 D186.1 D187.1 D188.1 D189.1 D190.1 D191.1 D192.1 D193.1 D194.1 D195.1 D196.1 D197.1 D198.1 D199.1 D200.1 D201.1 D202.1 D203.1 D204.1 D205.1 D206.1 D207.1 D208.1 D209.1 D210.1 D211.1 D212.1 D213.1 D214.1 D215.1 D216.1 D217.1 D218.1 D219.1 D220.1 D221.1 D222.1 D223.1 D224.1 D225.1 D226.1 D227.1 D228.1 D229.1 D230.1 D231.1 D232.1 D233.1 D234.1 D235.1 D236.1 D237.1 D238.1 D239.1 D240.1 D241.1 D242.1 D243.1 D244.1 D245.1 D246.1 D247.1 D248.1 D249.1 D250.1 D251.1 D252.1 D253.1 D254.1 D255.1 D256.1 D257.1 D258.1 D259.1 D260.1 D261.1 D262.1 D263.1
GND: C1.2 C2.2 C3.2 C4.2 C5.2 C6.2 C7.2 C8.2 C9.2 C10.2 C11.2 C12.2 C13.2 C14.2 C15.2 C16.2 C17.2 C18.2 C19.2 C20.2 C21.2 C22.2 C23.2 C24.2 C25.2 C26.2 C27.2 C28.2 C29.2 C30.2 C31.2 C32.2 C33.2 C34.2 C35.2 C36.2 C37.2 C38.2 C39.2 C40.2 C41.2 C42.2 C43.2 C44.2 C45.2 C46.2 C47.2 C48.2 C49.2 C50.2 C51.2 C52.2 C53.2 C54.2 C55.2 C56.2 C57.2 C58.2 C59.2 C60.2 C61.2 C62.2 C63.2 C64.2 C65.2 C66.2 C67.2 C68.2 C69.2 C70.2 C71.2 C72.2 C73.2 C74.2 C75.2 C76.2 C77.2 C78.2 C79.2 C80.2 C81.2 C82.2 C83.2 C84.2 C85.2 C86.2 C87.2 C88.2 C89.2 C90.2 C91.2 C92.2 C93.2 C94.2 C95.2 C96.2 C97.2 C98.2 C99.2 C100.2 C101.2 C102.2 C103.2 C104.2 C105.2 C106.2 C107.2 C108.2 C109.2 C110.2 C111.2 C112.2 C113.2 C114.2 C115.2 C116.2 C117.2 C118.2 C119.2 C120.2 C121.2 C122.2 C123.2 C124.2 C125.2 C126.2 C127.2 C128.2 C129.2 C130.2 C131.2 C132.2 C133.2 C134.2 C135.2 C136.2 C137.2 C138.2 C139.2 C140.2 C141.2 C142.2 C143.2 C144.2 C145.2 C146.2 C147.2 C148.2 C149.2 C150.2 C151.2 C152.2 C153.2 C154.2 C155.2 C156.2 C157.2 C158.2 C159.2 C160.2 C161.2 C162.2 C163.2 C164.2 C165.2 C166.2 C167.2 C168.2 C169.2 C170.2 C171.2 C172.2 C173.2 C174.2 C175.2 C176.2 C177.2 C178.2 C179.2 C180.2 C181.2 C182.2 C183.2 C184.2 C185.2 C186.2 C187.2 C188.2 C189.2 C190.2 C191.2 C192.2 C193.2 C194.2 C195.2 C196.2 C197.2 C198.2 C199.2 C200.2 C201.2 C202.2 C203.2 C204.2 C205.2 C206.2 C207.2 C208.2 C209.2 C210.2 C211.2 C212.2 C213.2 C214.2 C215.2 C216.2 C217.2 C218.2 C219.2 C220.2 C221.2 C222.2 C223.2 C224.2 C225.2 C226.2 C227.2 C228.2 C229.2 C230.2 C231.2 C232.2 C233.2 C234.2 C235.2 C236.2 C237.2 C238.2 C239.2 C240.2 C241.2 C242.2 C243.2 C244.2 C245.2 C246.2 C247.2 C248.2 C249.2 C250.2 C251.2 C252.2 C253.2 C254.2 C255.2 C256.2 C257.2 C258.2 C259.2 C260.2 C261.2 C262.2 C263.2 D1.3 D2.3 D3.3 D4.3 D5.3 D6.3 D7.3 D8.3 D9.3 D10.3 D11.3 D12.3 D13.3 D14.3 D15.3 D16.3 D17.3 D18.3 D19.3 D20.3 D21.3 D22.3 D23.3 D24.3 D25.3 D26.3 D27.3 D28.3 D29.3 D30.3 D31.3 D32.3 D33.3 D34.3 D35.3 D36.3 D37.3 D38.3 D39.3 D40.3 D41.3 D42.3 D43.3 D44.3 D45.3 D46.3 D47.3 D48.3 D49.3 D50.3 D51.3 D52.3 D53.3 D54.3 D55.3 D56.3 D57.3 D58.3 D59.3 D60.3 D61.3 D62.3 D63.3 D64.3 D65.3 D66.3 D67.3 D68.3 D69.3 D70.3 D71.3 D72.3 D73.3 D74.3 D75.3 D76.3 D77.3 D78.3 D79.3 D80.3 D81.3 D82.3 D83.3 D84.3 D85.3 D86.3 D87.3 D88.3 D89.3 D90.3 D91.3 D92.3 D93.3 D94.3 D95.3 D96.3 D97.3 D98.3 D99.3 D100.3 D101.3 D102.3 D103.3 D104.3 D105.3 D106.3 D107.3 D108.3 D109.3 D110.3 D111.3 D112.3 D113.3 D114.3 D115.3 D116.3 D117.3 D118.3 D119.3 D120.3 D121.3 D122.3 D123.3 D124.3 D125.3 D126.3 D127.3 D128.3 D129.3 D130.3 D131.3 D132.3 D133.3 D134.3 D135.3 D136.3 D137.3 D138.3 D139.3 D140.3 D141.3 D142.3 D143.3 D144.3 D145.3 D146.3 D147.3 D148.3 D149.3 D150.3 D151.3 D152.3 D153.3 D154.3 D155.3 D156.3 D157.3 D158.3 D159.3 D160.3 D161.3 D162.3 D163.3 D164.3 D165.3 D166.3 D167.3 D168.3 D169.3 D170.3 D171.3 D172.3 D173.3 D174.3 D175.3 D176.3 D177.3 D178.3 D179.3 D180.3 D181.3 D182.3 D183.3 D184.3 D185.3 D186.3 D187.3 D188.3 D189.3 D190.3 D191.3 D192.3 D193.3 D194.3 D195.3 D196.3 D197.3 D198.3 D199.3 D200.3 D201.3 D202.3 D203.3 D204.3 D205.3 D206.3 D207.3 D208.3 D209.3 D210.3 D211.3 D212.3 D213.3 D214.3 D215.3 D216.3 D217.3 D218.3 D219.3 D220.3 D221.3 D222.3 D223.3 D224.3 D225.3 D226.3 D227.3 D228.3 D229.3 D230.3 D231.3 D232.3 D233.3 D234.3 D235.3 D236.3 D237.3 D238.3 D239.3 D240.3 D241.3 D242.3 D243.3 D244.3 D245.3 D246.3 D247.3 D248.3 D249.3 D250.3 D251.3 D252.3 D253.3 D254.3 D255.3 D256.3 D257.3 D258.3 D259.3 D260.3 D261.3 D262.3 D263.3 GND.1